# Allegro board S071AA-0413-20260427.brd (continued)
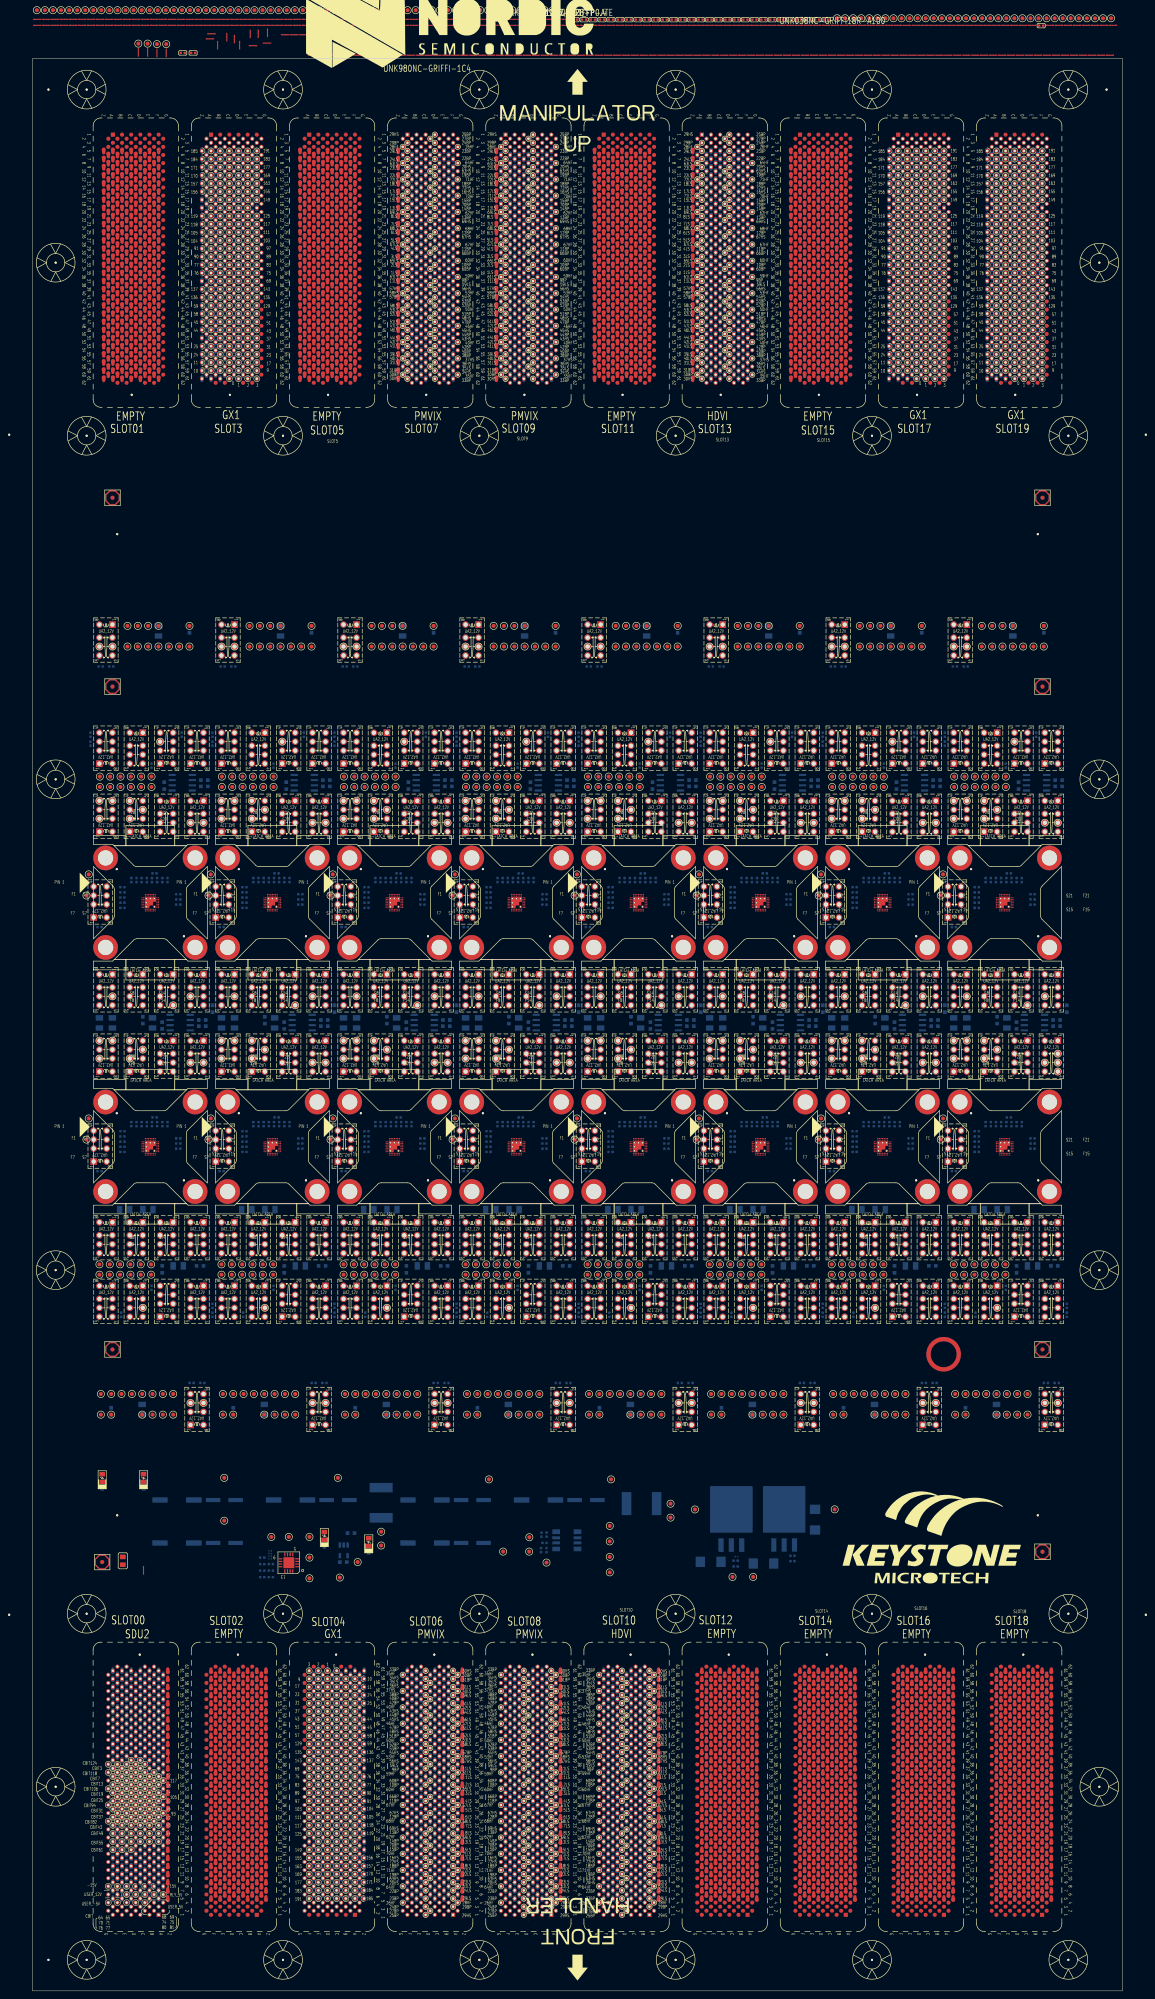
[diagram p0: board, top side]
## Nets (continued)
S16_VBAT_F: SITE16.F1(VBAT_F) UNK16CS1.1 UNK16K10.3 UNK16K11.3 UNK16K12.3 UNK16TP_VBAT_F.1
S16_VBAT_K11C: UNK16C6.1 UNK16K11.4
S16_VBAT_K12: UNK16C9.1 UNK16K12.4 UNK16TP_REF_5V.1 UNK16U1.6
S16_VBAT_S: SITE16.S1(VBAT_S) UNK16K10.6 UNK16K12.6 UNK16TP_VBAT_S.1
S16_VBUS_CK: UNK16C2.2 UNK16K1.3
S16_VSET: SITE16.F8(VSET_F) SITE16.S8(VSET_S) UNK16K3.3 UNK16TP_VEST.1
S16_VSET_K3R: UNK16K3.2 UNK16R1.2
SCOPE_TP0: SLOT0.B16
SCOPE_TP1: SLOT0.A16
SDUABUS1: SLOT0.F41
SDUABUS2: SLOT0.E41
SDUABUS3: SLOT0.F39
SDUABUS4: SLOT0.E39
SDUCAL1_HF: SLOT0.A41
SDUCAL1_HG: SLOT0.A40 SLOT0.B40 SLOT0.C41
SDUCAL1_HS: SLOT0.B41
SDUCAL1_LF: SLOT0.A39
SDUCAL1_LS: SLOT0.B39
SDUCBIT1: SLOT0.D39 UNK1K7.8 UNK2K7.8
SDUCBIT2: SLOT0.C39 UNK1K6.8 UNK2K6.8
SDUCBIT3: SLOT0.F37 UNK1K4.8 UNK2K4.8
SDUCBIT4: SLOT0.E37 UNK1K5.8 UNK2K5.8
SDUCBIT5: SLOT0.D37 UNK1K3.8 UNK2K3.8
SDUCBIT6: SLOT0.C37 UNK1K10.8 UNK2K10.8
SDUCBIT7: SLOT0.F35 UNK1K12.8 UNK2K12.8
SDUCBIT8: SLOT0.E35 UNK1K11.8 UNK2K11.8
SDUCBIT9: SLOT0.D35 UNK1K13.8 UNK2K13.8
SDUCBIT10: SLOT0.C35 UNK1K8.8 UNK2K8.8
SDUCBIT11: SLOT0.B35 UNK1K1.8 UNK2K1.8
SDUCBIT12: SLOT0.A35 UNK1K14.8 UNK2K14.8
SDUCBIT13: SLOT0.F33 UNK1K9.8 UNK2K9.8
SDUCBIT14: SLOT0.E33 UNK1K2.8 UNK2K2.8
SDUCBIT15: SLOT0.D33
SDUCBIT16: SLOT0.C33
SDUCBIT17: SLOT0.B33 UNK3K7.8 UNK4K7.8
SDUCBIT18: SLOT0.A33 UNK3K6.8 UNK4K6.8
SDUCBIT19: SLOT0.F31 UNK3K4.8 UNK4K4.8
SDUCBIT20: SLOT0.E31 UNK3K5.8 UNK4K5.8
SDUCBIT21: SLOT0.D31 UNK3K3.8 UNK4K3.8
SDUCBIT22: SLOT0.C31 UNK3K10.8 UNK4K10.8
SDUCBIT23: SLOT0.B31 UNK3K12.8 UNK4K12.8
SDUCBIT24: SLOT0.A31 UNK3K11.8 UNK4K11.8
SDUCBIT25: SLOT0.F29 UNK3K13.8 UNK4K13.8
SDUCBIT26: SLOT0.E29 UNK3K8.8 UNK4K8.8
SDUCBIT27: SLOT0.D29 UNK3K1.8 UNK4K1.8
SDUCBIT28: SLOT0.C29 UNK3K14.8 UNK4K14.8
SDUCBIT29: SLOT0.B29 UNK3K9.8 UNK4K9.8
SDUCBIT30: SLOT0.A29 UNK3K2.8 UNK4K2.8
SDUCBIT31: SLOT0.F27
SDUCBIT32: SLOT0.E27
SDUCBIT33: SLOT0.D27 UNK5K7.8 UNK6K7.8
SDUCBIT34: SLOT0.C27 UNK5K6.8 UNK6K6.8
SDUCBIT35: SLOT0.B27 UNK5K4.8 UNK6K4.8
SDUCBIT36: SLOT0.A27 UNK5K5.8 UNK6K5.8
SDUCBIT37: SLOT0.F25 UNK5K3.8 UNK6K3.8
SDUCBIT38: SLOT0.E25 UNK5K10.8 UNK6K10.8
SDUCBIT39: SLOT0.D25 UNK5K12.8 UNK6K12.8
SDUCBIT40: SLOT0.C25 UNK5K11.8 UNK6K11.8
SDUCBIT41: SLOT0.B25 UNK5K13.8 UNK6K13.8
SDUCBIT42: SLOT0.A25 UNK5K8.8 UNK6K8.8
SDUCBIT43: SLOT0.F23 UNK5K1.8 UNK6K1.8
SDUCBIT44: SLOT0.E23 UNK5K14.8 UNK6K14.8
SDUCBIT45: SLOT0.D23 UNK5K9.8 UNK6K9.8
SDUCBIT46: SLOT0.C23 UNK5K2.8 UNK6K2.8
SDUCBIT47: SLOT0.B23
SDUCBIT48: SLOT0.A23
SDUCBIT49: SLOT0.F21 UNK7K7.8 UNK8K7.8
SDUCBIT50: SLOT0.E21 UNK7K6.8 UNK8K6.8
SDUCBIT51: SLOT0.D21 UNK7K4.8 UNK8K4.8
SDUCBIT52: SLOT0.C21 UNK7K5.8 UNK8K5.8
SDUCBIT53: SLOT0.B21 UNK7K3.8 UNK8K3.8
SDUCBIT54: SLOT0.A21 UNK7K10.8 UNK8K10.8
SDUCBIT55: SLOT0.F19 UNK7K12.8 UNK8K12.8
SDUCBIT56: SLOT0.E19 UNK7K11.8 UNK8K11.8
SDUCBIT57: SLOT0.D19 UNK7K13.8 UNK8K13.8
SDUCBIT58: SLOT0.C19 UNK7K8.8 UNK8K8.8
SDUCBIT59: SLOT0.B19 UNK7K1.8 UNK8K1.8
SDUCBIT60: SLOT0.A19 UNK7K14.8 UNK8K14.8
SDUCBIT61: SLOT0.F17 UNK7K9.8 UNK8K9.8
SDUCBIT62: SLOT0.E17 UNK7K2.8 UNK8K2.8
SDUCBIT63: SLOT0.D17
SDUCBIT64: SLOT0.F7
SDUCBIT65: SLOT0.E7 UNK9K7.8 UNK10K7.8
SDUCBIT66: SLOT0.D7 UNK9K6.8 UNK10K6.8
SDUCBIT67: SLOT0.C7 UNK9K4.8 UNK10K4.8
SDUCBIT68: SLOT0.B7 UNK9K5.8 UNK10K5.8
SDUCBIT69: SLOT0.A7 UNK9K3.8 UNK10K3.8
SDUCBIT70: SLOT0.F5 UNK9K10.8 UNK10K10.8
SDUCBIT71: SLOT0.E5 UNK9K12.8 UNK10K12.8
SDUCBIT72: SLOT0.D5 UNK9K11.8 UNK10K11.8
SDUCBIT73: SLOT0.C5 UNK9K13.8 UNK10K13.8
SDUCBIT74: SLOT0.B5 UNK9K8.8 UNK10K8.8
SDUCBIT75: SLOT0.A5 UNK9K1.8 UNK10K1.8
SDUCBIT76: SLOT0.F3 UNK9K14.8 UNK10K14.8
SDUCBIT77: SLOT0.E3 UNK9K9.8 UNK10K9.8
SDUCBIT78: SLOT0.D3 UNK9K2.8 UNK10K2.8
SDUCBIT79: SLOT0.C3
SDUCBIT80: SLOT0.B3
SDUCBIT81: SLOT0.A3 UNK11K7.8 UNK12K7.8
SDUCBIT82: SLOT0.G24 UNK11K6.8 UNK12K6.8
SDUCBIT83: SLOT0.F24 UNK11K4.8 UNK12K4.8
SDUCBIT84: SLOT0.E24 UNK11K5.8 UNK12K5.8
SDUCBIT85: SLOT0.D24 UNK11K3.8 UNK12K3.8
SDUCBIT86: SLOT0.C24 UNK11K10.8 UNK12K10.8
SDUCBIT87: SLOT0.B24 UNK11K12.8 UNK12K12.8
SDUCBIT88: SLOT0.F26 UNK11K11.8 UNK12K11.8
SDUCBIT89: SLOT0.E26 UNK11K13.8 UNK12K13.8
SDUCBIT90: SLOT0.D26 UNK11K8.8 UNK12K8.8
SDUCBIT91: SLOT0.C26 UNK11K1.8 UNK12K1.8
SDUCBIT92: SLOT0.B26 UNK11K14.8 UNK12K14.8
SDUCBIT93: SLOT0.A26 UNK11K9.8 UNK12K9.8
SDUCBIT94: SLOT0.G28 UNK11K2.8 UNK12K2.8
SDUCBIT95: SLOT0.F28
SDUCBIT96: SLOT0.E28
SDUCBIT97: SLOT0.D28 UNK13K7.8 UNK14K7.8
SDUCBIT98: SLOT0.C28 UNK13K6.8 UNK14K6.8
SDUCBIT99: SLOT0.B28 UNK13K4.8 UNK14K4.8
SDUCBIT100: SLOT0.F30 UNK13K5.8 UNK14K5.8
SDUCBIT101: SLOT0.E30 UNK13K3.8 UNK14K3.8
SDUCBIT102: SLOT0.D30 UNK13K10.8 UNK14K10.8
SDUCBIT103: SLOT0.C30 UNK13K12.8 UNK14K12.8
SDUCBIT104: SLOT0.B30 UNK13K11.8 UNK14K11.8
SDUCBIT105: SLOT0.A30 UNK13K13.8 UNK14K13.8
SDUCBIT106: SLOT0.G32 UNK13K8.8 UNK14K8.8
SDUCBIT107: SLOT0.F32 UNK13K1.8 UNK14K1.8
SDUCBIT108: SLOT0.E32 UNK13K14.8 UNK14K14.8
SDUCBIT109: SLOT0.D32 UNK13K9.8 UNK14K9.8
SDUCBIT110: SLOT0.C32 UNK13K2.8 UNK14K2.8
SDUCBIT111: SLOT0.B32
SDUCBIT112: SLOT0.F34
SDUCBIT113: SLOT0.E34 UNK15K7.8 UNK16K7.8
SDUCBIT114: SLOT0.D34 UNK15K6.8 UNK16K6.8
SDUCBIT115: SLOT0.C34 UNK15K4.8 UNK16K4.8
SDUCBIT116: SLOT0.B34 UNK15K5.8 UNK16K5.8
SDUCBIT117: SLOT0.A34 UNK15K3.8 UNK16K3.8
SDUCBIT118: SLOT0.G36 UNK15K10.8 UNK16K10.8
SDUCBIT119: SLOT0.F36 UNK15K12.8 UNK16K12.8
SDUCBIT120: SLOT0.E36 UNK15K11.8 UNK16K11.8
SDUCBIT121: SLOT0.D36 UNK15K13.8 UNK16K13.8
SDUCBIT122: SLOT0.C36 UNK15K8.8 UNK16K8.8
SDUCBIT123: SLOT0.B36 UNK15K1.8 UNK16K1.8
SDUCBIT124: SLOT0.G38 UNK15K14.8 UNK16K14.8
SDUCBIT125: SLOT0.F38 UNK15K9.8 UNK16K9.8
SDUCBIT126: SLOT0.E38 UNK15K2.8 UNK16K2.8
SDUCBIT127: SLOT0.D38
SDUCBIT128: SLOT0.C38
SDUI2C1_SYS_P3V3: R22.2 SLOT0.G16
SDUI2C1_SYS_SCLK: R24.2 SLOT0.G14 TP_EPP_SCLK.1(TP)
SDUI2C1_SYS_SDA: R23.2 SLOT0.G18
SDUI2C1_USER_SCLK: R8.2 SLOT0.F14 TP_USER_SCLK1.1(TP) U4.1(SCL)
SDUI2C1_USER_SDA: R7.2 SLOT0.F16 TP_USER_SDA1.1(TP) U4.2(SDA)
SDUP5V1: BC1.1 BC2.1 FUSE2.1 SLOT0.A2 SLOT0.A4 SLOT0.B2 SLOT0.B4 SLOT0.C2 T_USER_5V.1(TP) USER_5V1.1(A)
SDUSPI1_CS_N: SLOT0.E16
SDUSPI1_MISO: SLOT0.F18
SDUSPI1_MOSI: SLOT0.E18
SDUSPI1_SCLK: SLOT0.E14
SDUSYNC1: SLOT0.C14
SDUSYNC2: SLOT0.B14
SPARE0: SLOT0.A8
SPARE1: SLOT0.G22
SPARE2: SLOT0.A20
SPARE3: SLOT0.G26
SPARE4: SLOT0.A24
SPARE5: SLOT0.G30
SPARE6: SLOT0.A28
SPARE7: SLOT0.G34
SPARE8: SLOT0.A32
SPARE9: SLOT0.G40
SPARE10: SLOT0.A36
SPARE11: SLOT0.F40
SPARE12: SLOT0.C40
SPARE13: SLOT0.E40
SPARE14: SLOT0.D40
TMU_INPUT_A: SLOT0.B12
TMU_INPUT_B: SLOT0.D12
TMU_REF_GND: SLOT0.A37 UNK0BS1.1
TMU_TRIGGER: SLOT0.F12
U4_CT: R9.2 U4.10(CT)
U4_INT: R10.2 U4.9(INT)
U6_SCL: R24.1 U6.6(SCL)
U6_SDA: R21.2 R23.1 TP_EPP_SDA.1(TP) U6.5(SDA)
U6_VCC: C14.2 R21.1 R22.1 TP_EPP_VCC.1(TP) U6.8(VCC)
U46_ADJ: R376.2 R381.1 U46.1(ADJ)
U46_R: R381.2 R382.1
U47_ADJ: R378.1 R383.2 U47.1(ADJ)
UGND: BC1.2 BC2.2 BC3.1 BC4.1 BC5.2 BC6.2 BC7.2 BC8.2 BC10.2 BC11.2 BC12.1 BC13.1 BD1.2 BD2.2 C102.2
USER_12V: BC7.1 BC8.1 SLOT0.F6 SLOT0.G6 T_USER_12V.1(TP) UNK1C7.1 UNK1C8.1 UNK1K1.1 UNK1K2.1 UNK1K3.1 UNK1K4.1 UNK1K5.1 UNK1K6.1 UNK1K7.1 UNK1K8.1 UNK1K9.1 UNK1K10.1 UNK1K11.1 UNK1K12.1 UNK1K13.1 UNK1K14.1 UNK1U1.2 UNK2C7.1 UNK2C8.1 UNK2K1.1 UNK2K2.1 UNK2K3.1 UNK2K4.1 UNK2K5.1 UNK2K6.1 UNK2K7.1 UNK2K8.1 UNK2K9.1 UNK2K10.1 UNK2K11.1 UNK2K12.1 UNK2K13.1 UNK2K14.1 UNK2U1.2 UNK3C7.1 UNK3C8.1 UNK3K1.1 UNK3K2.1 UNK3K3.1 UNK3K4.1 UNK3K5.1 UNK3K6.1 UNK3K7.1 UNK3K8.1 UNK3K9.1 UNK3K10.1 UNK3K11.1 UNK3K12.1 UNK3K13.1 UNK3K14.1 UNK3U1.2 UNK4C7.1 UNK4C8.1 UNK4K1.1 UNK4K2.1 UNK4K3.1 UNK4K4.1 UNK4K5.1 UNK4K6.1 UNK4K7.1 UNK4K8.1 UNK4K9.1 UNK4K10.1 UNK4K11.1 UNK4K12.1 UNK4K13.1 UNK4K14.1 UNK4U1.2 UNK5C7.1 UNK5C8.1 UNK5K1.1 UNK5K2.1 UNK5K3.1 UNK5K4.1 UNK5K5.1 UNK5K6.1 UNK5K7.1 UNK5K8.1 UNK5K9.1 UNK5K10.1 UNK5K11.1 UNK5K12.1 UNK5K13.1 UNK5K14.1 UNK5U1.2 UNK6C7.1 UNK6C8.1 UNK6K1.1 UNK6K2.1 UNK6K3.1 UNK6K4.1 UNK6K5.1 UNK6K6.1 UNK6K7.1 UNK6K8.1 UNK6K9.1 UNK6K10.1 UNK6K11.1 UNK6K12.1 UNK6K13.1 UNK6K14.1 UNK6U1.2 UNK7C7.1 UNK7C8.1 UNK7K1.1 UNK7K2.1 UNK7K3.1 UNK7K4.1 UNK7K5.1 UNK7K6.1 UNK7K7.1 UNK7K8.1 UNK7K9.1 UNK7K10.1 UNK7K11.1 UNK7K12.1 UNK7K13.1 UNK7K14.1 UNK7U1.2 UNK8C7.1 UNK8C8.1 UNK8K1.1 UNK8K2.1 UNK8K3.1 UNK8K4.1 UNK8K5.1 UNK8K6.1 UNK8K7.1 UNK8K8.1 UNK8K9.1 UNK8K10.1 UNK8K11.1 UNK8K12.1 UNK8K13.1 UNK8K14.1 UNK8U1.2 UNK9C7.1 UNK9C8.1 UNK9K1.1 UNK9K2.1 UNK9K3.1 UNK9K4.1 UNK9K5.1 UNK9K6.1 UNK9K7.1 UNK9K8.1 UNK9K9.1 UNK9K10.1 UNK9K11.1 UNK9K12.1 UNK9K13.1 UNK9K14.1 UNK9U1.2 UNK10C7.1 UNK10C8.1 UNK10K1.1 UNK10K2.1 UNK10K3.1 UNK10K4.1 UNK10K5.1 UNK10K6.1 UNK10K7.1 UNK10K8.1 UNK10K9.1 UNK10K10.1 UNK10K11.1 UNK10K12.1 UNK10K13.1 UNK10K14.1 UNK10U1.2 UNK11C7.1 UNK11C8.1 UNK11K1.1 UNK11K2.1 UNK11K3.1 UNK11K4.1 UNK11K5.1 UNK11K6.1 UNK11K7.1 UNK11K8.1 UNK11K9.1 UNK11K10.1 UNK11K11.1 UNK11K12.1 UNK11K13.1 UNK11K14.1 UNK11U1.2 UNK12C7.1 UNK12C8.1 UNK12K1.1 UNK12K2.1 UNK12K3.1 UNK12K4.1 UNK12K5.1 UNK12K6.1 UNK12K7.1 UNK12K8.1 UNK12K9.1 UNK12K10.1 UNK12K11.1 UNK12K12.1 UNK12K13.1 UNK12K14.1 UNK12U1.2 UNK13C7.1 UNK13C8.1 UNK13K1.1 UNK13K2.1 UNK13K3.1 UNK13K4.1 UNK13K5.1 UNK13K6.1 UNK13K7.1 UNK13K8.1 UNK13K9.1 UNK13K10.1 UNK13K11.1 UNK13K12.1 UNK13K13.1 UNK13K14.1 UNK13U1.2 UNK14C7.1 UNK14C8.1 UNK14K1.1 UNK14K2.1 UNK14K3.1 UNK14K4.1 UNK14K5.1 UNK14K6.1 UNK14K7.1 UNK14K8.1 UNK14K9.1 UNK14K10.1 UNK14K11.1 UNK14K12.1 UNK14K13.1 UNK14K14.1 UNK14U1.2 UNK15C7.1 UNK15C8.1 UNK15K1.1 UNK15K2.1 UNK15K3.1 UNK15K4.1 UNK15K5.1 UNK15K6.1 UNK15K7.1 UNK15K8.1 UNK15K9.1 UNK15K10.1 UNK15K11.1 UNK15K12.1 UNK15K13.1 UNK15K14.1 UNK15U1.2 UNK16C7.1 UNK16C8.1 UNK16K1.1 UNK16K2.1 UNK16K3.1 UNK16K4.1 UNK16K5.1 UNK16K6.1 UNK16K7.1 UNK16K8.1 UNK16K9.1 UNK16K10.1 UNK16K11.1 UNK16K12.1 UNK16K13.1 UNK16K14.1 UNK16U1.2 USER_12V1.1(A)
USER_-5V: BC3.2 BC4.2 BR2.2 SLOT0.C4 SLOT0.D4 SLOT0.E4 SLOT0.F4 SLOT0.G4 T_USER_-5V.1(TP)
VI_433_6-CH1BP: SLOT6.B35
VI_433_6-CH1F: SLOT6.F35
VI_433_6-CH1GS: SLOT6.A35
VI_433_6-CH1S: SLOT6.C35
VI_434_6-CH2BP: SLOT6.B33
VI_434_6-CH2F: SLOT6.F33
VI_434_6-CH2GS: SLOT6.A33
VI_434_6-CH2S: SLOT6.C33
VI_435_6-CH3BP: SLOT6.B31
VI_435_6-CH3F: SLOT6.F31
VI_435_6-CH3GS: SLOT6.A31
VI_435_6-CH3S: SLOT6.C31
VI_436_6-CH4BP: SLOT6.B29
VI_436_6-CH4F: SLOT6.F29
VI_436_6-CH4GS: SLOT6.A29
VI_436_6-CH4S: SLOT6.C29
VI_437_6-CH5BP: SLOT6.B27
VI_437_6-CH5F: SLOT6.F27
VI_437_6-CH5GS: SLOT6.A27
VI_437_6-CH5S: SLOT6.C27
VI_438_6-CH6BP: SLOT6.B25
VI_438_6-CH6F: SLOT6.F25
VI_438_6-CH6GS: SLOT6.A25
VI_438_6-CH6S: SLOT6.C25
VI_439_6-CH7BP: SLOT6.B23
VI_439_6-CH7F: SLOT6.F23
VI_439_6-CH7GS: SLOT6.A23
VI_439_6-CH7S: SLOT6.C23
VI_440_6-CH8BP: SLOT6.B21
VI_440_6-CH8F: SLOT6.F21
VI_440_6-CH8GS: SLOT6.A21
VI_440_6-CH8S: SLOT6.C21
VI_441_6-CH9BP: SLOT6.D37
VI_441_6-CH9F: SLOT6.F37
VI_441_6-CH9GS: SLOT6.C37
VI_441_6-CH9S: SLOT6.E37
VI_442_6-CH10BP: SLOT6.D33
VI_442_6-CH10F: SLOT6.E35
VI_442_6-CH10GS: SLOT6.B37
VI_442_6-CH10S: SLOT6.E33
VI_443_6-CH11BP: SLOT6.D29
VI_443_6-CH11F: SLOT6.E31
VI_443_6-CH11GS: SLOT6.A37
VI_443_6-CH11S: SLOT6.E29
VI_444_6-CH12BP: SLOT6.D25
VI_444_6-CH12F: SLOT6.E27
VI_444_6-CH12GS: SLOT6.B19
VI_444_6-CH12S: SLOT6.E25
VI_445_6-CH13BP: SLOT6.D21
VI_445_6-CH13F: SLOT6.E23
VI_445_6-CH13GS: SLOT6.A19
VI_445_6-CH13S: SLOT6.E21
VI_446_6-CH14BP: SLOT6.D19
VI_446_6-CH14F: SLOT6.F19
VI_446_6-CH14GS: SLOT6.C19
VI_446_6-CH14S: SLOT6.E19
VI_447_6-CH15BP: SLOT6.D17
VI_447_6-CH15F: SLOT6.F17
VI_447_6-CH15GS: SLOT6.A17
VI_447_6-CH15S: SLOT6.E17
VI_448_6-CH16BP: SLOT6.C17
VI_448_6-CH16F: SLOT6.E15
VI_448_6-CH16GS: SLOT6.B17
VI_448_6-CH16S: SLOT6.D15
VI_449_6-CH17BP: SLOT6.B15
VI_449_6-CH17F: SLOT6.F15
VI_449_6-CH17GS: SLOT6.A15
VI_449_6-CH17S: SLOT6.C15
VI_450_6-CH18BP: SLOT6.D13
VI_450_6-CH18F: SLOT6.F13
VI_450_6-CH18GS: SLOT6.A13
VI_450_6-CH18S: SLOT6.E13
VI_451_6-CH19BP: SLOT6.D11
VI_451_6-CH19F: SLOT6.F11
VI_451_6-CH19GS: SLOT6.B13
VI_451_6-CH19S: SLOT6.E11
VI_452_6-CH20BP: SLOT6.C11
VI_452_6-CH20F: SLOT6.E9
VI_452_6-CH20GS: SLOT6.C13
VI_452_6-CH20S: SLOT6.D9
VI_453_6-CH21BP: SLOT6.B9
VI_453_6-CH21F: SLOT6.F9
VI_453_6-CH21GS: SLOT6.B11
VI_453_6-CH21S: SLOT6.C9
VI_454_6-CH22BP: SLOT6.D7
VI_454_6-CH22F: SLOT6.F7
VI_454_6-CH22GS: SLOT6.A11
VI_454_6-CH22S: SLOT6.E7
VI_455_6-CH23BP: SLOT6.D5
VI_455_6-CH23F: SLOT6.F5
VI_455_6-CH23GS: SLOT6.A9
VI_455_6-CH23S: SLOT6.E5
VI_456_6-CH24BP: SLOT6.D3
VI_456_6-CH24F: SLOT6.F3
VI_456_6-CH24GS: SLOT6.A7
VI_456_6-CH24S: SLOT6.E3
VI_457_6-CH25BP: SLOT6.D1
VI_457_6-CH25F: SLOT6.F1
VI_457_6-CH25GS: SLOT6.B7
VI_457_6-CH25S: SLOT6.E1
VI_458_6-CH26BP: SLOT6.C3
VI_458_6-CH26F: SLOT6.G4
VI_458_6-CH26GS: SLOT6.C7
VI_458_6-CH26S: SLOT6.C1
VI_459_6-CH27BP: SLOT6.D2
VI_459_6-CH27F: SLOT6.F2
VI_459_6-CH27GS: SLOT6.C5
VI_459_6-CH27S: SLOT6.C4
VI_460_6-CH28BP: SLOT6.B3
VI_460_6-CH28F: SLOT6.A4
VI_460_6-CH28GS: SLOT6.B5
VI_460_6-CH28S: SLOT6.B1
VI_461_6-CH29BP: SLOT6.A3
VI_461_6-CH29F: SLOT6.B2
VI_461_6-CH29GS: SLOT6.A5
VI_461_6-CH29S: SLOT6.A1
VI_462_6-CH30BP: SLOT6.A60
VI_462_6-CH30F: SLOT6.B62
VI_462_6-CH30GS: SLOT6.B58
VI_462_6-CH30S: SLOT6.A61
VI_463_6-CH31BP: SLOT6.A59
VI_463_6-CH31F: SLOT6.C62
VI_463_6-CH31GS: SLOT6.A57
VI_463_6-CH31S: SLOT6.B61
VI_464_6-CH32BP: SLOT6.E60
VI_464_6-CH32F: SLOT6.F62
VI_464_6-CH32GS: SLOT6.C60
VI_464_6-CH32S: SLOT6.F61
VI_465_6-CH33BP: SLOT6.D61
VI_465_6-CH33F: SLOT6.E62
VI_465_6-CH33GS: SLOT6.C61
VI_465_6-CH33S: SLOT6.E61
VI_466_6-CH34BP: SLOT6.C59
VI_466_6-CH34F: SLOT6.F59
VI_466_6-CH34GS: SLOT6.B59
VI_466_6-CH34S: SLOT6.D59
VI_467_6-CH35BP: SLOT6.F58
VI_467_6-CH35F: SLOT6.G60
VI_467_6-CH35GS: SLOT6.D58
VI_467_6-CH35S: SLOT6.E59
VI_468_6-CH36BP: SLOT6.C57
VI_468_6-CH36F: SLOT6.E57
VI_468_6-CH36GS: SLOT6.B57
VI_468_6-CH36S: SLOT6.D57
VI_469_6-CH37BP: SLOT6.E56
VI_469_6-CH37F: SLOT6.F57
VI_469_6-CH37GS: SLOT6.C56
VI_469_6-CH37S: SLOT6.G56
VI_470_6-CH38BP: SLOT6.D55
VI_470_6-CH38F: SLOT6.F55
VI_470_6-CH38GS: SLOT6.B55
VI_470_6-CH38S: SLOT6.E55
VI_471_6-CH39BP: SLOT6.B54
VI_471_6-CH39F: SLOT6.E52
VI_471_6-CH39GS: SLOT6.A55
VI_471_6-CH39S: SLOT6.C55
VI_472_6-CH40BP: SLOT6.D54
VI_472_6-CH40F: SLOT6.G52
VI_472_6-CH40GS: SLOT6.A56
VI_472_6-CH40S: SLOT6.F54
VI_473_6-CH41BP: SLOT6.B53
VI_473_6-CH41F: SLOT6.F53
VI_473_6-CH41GS: SLOT6.A53
VI_473_6-CH41S: SLOT6.C53
VI_474_6-CH42BP: SLOT6.D53
VI_474_6-CH42F: SLOT6.F51
VI_474_6-CH42GS: SLOT6.A52
VI_474_6-CH42S: SLOT6.E53
VI_475_6-CH43BP: SLOT6.C51
VI_475_6-CH43F: SLOT6.E51
VI_475_6-CH43GS: SLOT6.C52
VI_475_6-CH43S: SLOT6.D51
VI_476_6-CH44BP: SLOT6.D50
VI_476_6-CH44F: SLOT6.F49
VI_476_6-CH44GS: SLOT6.A51
VI_476_6-CH44S: SLOT6.F50
VI_477_6-CH45BP: SLOT6.B50
VI_477_6-CH45F: SLOT6.E49
VI_477_6-CH45GS: SLOT6.B51
VI_477_6-CH45S: SLOT6.D49
VI_478_6-CH46BP: SLOT6.B49
VI_478_6-CH46F: SLOT6.G48
VI_478_6-CH46GS: SLOT6.A49
VI_478_6-CH46S: SLOT6.C49
VI_479_6-CH47BP: SLOT6.D47
VI_479_6-CH47F: SLOT6.F47
VI_479_6-CH47GS: SLOT6.A48
VI_479_6-CH47S: SLOT6.E47
VI_480_6-CH48BP: SLOT6.C45
VI_480_6-CH48F: SLOT6.F45
VI_480_6-CH48GS: SLOT6.C48
VI_480_6-CH48S: SLOT6.D46
VI_481_6-CH49BP: SLOT6.C47
VI_481_6-CH49F: SLOT6.F46
VI_481_6-CH49GS: SLOT6.E48
VI_481_6-CH49S: SLOT6.E45
VI_482_6-CH50BP: SLOT6.B46
VI_482_6-CH50F: SLOT6.G44
VI_482_6-CH50GS: SLOT6.B47
VI_482_6-CH50S: SLOT6.B45
VI_483_6-CH51BP: SLOT6.D45
VI_483_6-CH51F: SLOT6.F41
VI_483_6-CH51GS: SLOT6.A47
VI_483_6-CH51S: SLOT6.E43
VI_484_6-CH52BP: SLOT6.D43
VI_484_6-CH52F: SLOT6.F43
VI_484_6-CH52GS: SLOT6.A45
VI_484_6-CH52S: SLOT6.F42
VI_485_6-CH53BP: SLOT6.D42
VI_485_6-CH53F: SLOT6.G40
VI_485_6-CH53GS: SLOT6.A44
VI_485_6-CH53S: SLOT6.E41
VI_486_6-CH54BP: SLOT6.C41
VI_486_6-CH54F: SLOT6.F39
VI_486_6-CH54GS: SLOT6.C44
VI_486_6-CH54S: SLOT6.D41
VI_487_6-CH55BP: SLOT6.B41
VI_487_6-CH55F: SLOT6.F38
VI_487_6-CH55GS: SLOT6.E44
VI_487_6-CH55S: SLOT6.B39
VI_488_6-CH56BP: SLOT6.C39
VI_488_6-CH56F: SLOT6.E39
VI_488_6-CH56GS: SLOT6.C43
VI_488_6-CH56S: SLOT6.D39
VI_489_6-CH57BP: SLOT6.A41
VI_489_6-CH57F: SLOT6.E40
VI_489_6-CH57GS: SLOT6.B43
VI_489_6-CH57S: SLOT6.A39
VI_490_6-CH58BP: SLOT6.B42
VI_490_6-CH58F: SLOT6.C40
VI_490_6-CH58GS: SLOT6.A43
VI_490_6-CH58S: SLOT6.A40
VI_491_6-CH59BP: SLOT6.C36
VI_491_6-CH59F: SLOT6.G36
VI_491_6-CH59GS: SLOT6.D38
VI_491_6-CH59S: SLOT6.E36
VI_492_6-CH60BP: SLOT6.D34
VI_492_6-CH60F: SLOT6.G32
VI_492_6-CH60GS: SLOT6.B38
VI_492_6-CH60S: SLOT6.E32
VI_493_6-CH61BP: SLOT6.E24
VI_493_6-CH61F: SLOT6.E28
VI_493_6-CH61GS: SLOT6.A36
VI_493_6-CH61S: SLOT6.F26
VI_494_6-CH62BP: SLOT6.F18
VI_494_6-CH62F: SLOT6.G20
VI_494_6-CH62GS: SLOT6.B10
VI_494_6-CH62S: SLOT6.E16
VI_495_6-CH63BP: SLOT6.E12
VI_495_6-CH63F: SLOT6.F14
VI_495_6-CH63GS: SLOT6.A8
VI_495_6-CH63S: SLOT6.D10
VI_496_6-CH64BP: SLOT6.E8
VI_496_6-CH64F: SLOT6.G8
VI_496_6-CH64GS: SLOT6.C8
VI_496_6-CH64S: SLOT6.F6
VI_497_6-CH65BP: SLOT6.B34
VI_497_6-CH65F: SLOT6.F34
VI_497_6-CH65GS: SLOT6.A32
VI_497_6-CH65S: SLOT6.C32
VI_498_6-CH66BP: SLOT6.D30
VI_498_6-CH66F: SLOT6.F30
VI_498_6-CH66GS: SLOT6.B30
VI_498_6-CH66S: SLOT6.C28
VI_499_6-CH67BP: SLOT6.B26
VI_499_6-CH67F: SLOT6.G28
VI_499_6-CH67GS: SLOT6.A28
VI_499_6-CH67S: SLOT6.D26
VI_500_6-CH68BP: SLOT6.C24
VI_500_6-CH68F: SLOT6.G24
VI_500_6-CH68GS: SLOT6.A24
VI_500_6-CH68S: SLOT6.B22
VI_501_6-CH69BP: SLOT6.C20
VI_501_6-CH69F: SLOT6.F22
VI_501_6-CH69GS: SLOT6.A20
VI_501_6-CH69S: SLOT6.D22
VI_502_6-CH70BP: SLOT6.D18
VI_502_6-CH70F: SLOT6.G16
VI_502_6-CH70GS: SLOT6.B18
VI_502_6-CH70S: SLOT6.E20
VI_503_6-CH71BP: SLOT6.C16
VI_503_6-CH71F: SLOT6.G12
VI_503_6-CH71GS: SLOT6.A16
VI_503_6-CH71S: SLOT6.B14
VI_504_6-CH72BP: SLOT6.C12
VI_504_6-CH72F: SLOT6.F10
VI_504_6-CH72GS: SLOT6.A12
VI_504_6-CH72S: SLOT6.D14
VI_505_7-CH1BP: SLOT7.B35
VI_505_7-CH1F: SLOT7.F35
VI_505_7-CH1GS: SLOT7.A35
VI_505_7-CH1S: SLOT7.C35
VI_506_7-CH2BP: SLOT7.B33
VI_506_7-CH2F: SLOT7.F33
VI_506_7-CH2GS: SLOT7.A33
VI_506_7-CH2S: SLOT7.C33
VI_507_7-CH3BP: SLOT7.B31
VI_507_7-CH3F: SLOT7.F31
VI_507_7-CH3GS: SLOT7.A31
VI_507_7-CH3S: SLOT7.C31
VI_508_7-CH4BP: SLOT7.B29
VI_508_7-CH4F: SLOT7.F29
VI_508_7-CH4GS: SLOT7.A29
VI_508_7-CH4S: SLOT7.C29
VI_509_7-CH5BP: SLOT7.B27
VI_509_7-CH5F: SLOT7.F27
VI_509_7-CH5GS: SLOT7.A27
VI_509_7-CH5S: SLOT7.C27
VI_510_7-CH6BP: SLOT7.B25
VI_510_7-CH6F: SLOT7.F25
VI_510_7-CH6GS: SLOT7.A25
VI_510_7-CH6S: SLOT7.C25
VI_511_7-CH7BP: SLOT7.B23
VI_511_7-CH7F: SLOT7.F23
VI_511_7-CH7GS: SLOT7.A23
VI_511_7-CH7S: SLOT7.C23
VI_512_7-CH8BP: SLOT7.B21
VI_512_7-CH8F: SLOT7.F21
VI_512_7-CH8GS: SLOT7.A21
VI_512_7-CH8S: SLOT7.C21
VI_513_7-CH9BP: SLOT7.D37
VI_513_7-CH9F: SLOT7.F37
VI_513_7-CH9GS: SLOT7.C37
VI_513_7-CH9S: SLOT7.E37
VI_514_7-CH10BP: SLOT7.D33
VI_514_7-CH10F: SLOT7.E35
VI_514_7-CH10GS: SLOT7.B37
VI_514_7-CH10S: SLOT7.E33
VI_515_7-CH11BP: SLOT7.D29
VI_515_7-CH11F: SLOT7.E31
VI_515_7-CH11GS: SLOT7.A37
VI_515_7-CH11S: SLOT7.E29
VI_516_7-CH12BP: SLOT7.D25
VI_516_7-CH12F: SLOT7.E27
VI_516_7-CH12GS: SLOT7.B19
VI_516_7-CH12S: SLOT7.E25
VI_517_7-CH13BP: SLOT7.D21
VI_517_7-CH13F: SLOT7.E23
VI_517_7-CH13GS: SLOT7.A19
VI_517_7-CH13S: SLOT7.E21
VI_518_7-CH14BP: SLOT7.D19
VI_518_7-CH14F: SLOT7.F19
VI_518_7-CH14GS: SLOT7.C19
VI_518_7-CH14S: SLOT7.E19
VI_519_7-CH15BP: SLOT7.D17
VI_519_7-CH15F: SLOT7.F17
VI_519_7-CH15GS: SLOT7.A17
VI_519_7-CH15S: SLOT7.E17
VI_520_7-CH16BP: SLOT7.C17
VI_520_7-CH16F: SLOT7.E15
VI_520_7-CH16GS: SLOT7.B17
VI_520_7-CH16S: SLOT7.D15
VI_521_7-CH17BP: SLOT7.B15
VI_521_7-CH17F: SLOT7.F15
VI_521_7-CH17GS: SLOT7.A15
VI_521_7-CH17S: SLOT7.C15
VI_522_7-CH18BP: SLOT7.D13
VI_522_7-CH18F: SLOT7.F13
VI_522_7-CH18GS: SLOT7.A13
VI_522_7-CH18S: SLOT7.E13
VI_523_7-CH19BP: SLOT7.D11
VI_523_7-CH19F: SLOT7.F11
VI_523_7-CH19GS: SLOT7.B13
VI_523_7-CH19S: SLOT7.E11
VI_524_7-CH20BP: SLOT7.C11
VI_524_7-CH20F: SLOT7.E9
VI_524_7-CH20GS: SLOT7.C13
VI_524_7-CH20S: SLOT7.D9
VI_525_7-CH21BP: SLOT7.B9
VI_525_7-CH21F: SLOT7.F9
VI_525_7-CH21GS: SLOT7.B11
VI_525_7-CH21S: SLOT7.C9
VI_526_7-CH22BP: SLOT7.D7
VI_526_7-CH22F: SLOT7.F7
VI_526_7-CH22GS: SLOT7.A11
VI_526_7-CH22S: SLOT7.E7
VI_527_7-CH23BP: SLOT7.D5
VI_527_7-CH23F: SLOT7.F5
VI_527_7-CH23GS: SLOT7.A9
VI_527_7-CH23S: SLOT7.E5
VI_528_7-CH24BP: SLOT7.D3
VI_528_7-CH24F: SLOT7.F3
VI_528_7-CH24GS: SLOT7.A7
VI_528_7-CH24S: SLOT7.E3
VI_529_7-CH25BP: SLOT7.D1
VI_529_7-CH25F: SLOT7.F1
VI_529_7-CH25GS: SLOT7.B7
VI_529_7-CH25S: SLOT7.E1
VI_530_7-CH26BP: SLOT7.C3
VI_530_7-CH26F: SLOT7.G4
VI_530_7-CH26GS: SLOT7.C7
VI_530_7-CH26S: SLOT7.C1
VI_531_7-CH27BP: SLOT7.D2
VI_531_7-CH27F: SLOT7.F2
VI_531_7-CH27GS: SLOT7.C5
VI_531_7-CH27S: SLOT7.C4
VI_532_7-CH28BP: SLOT7.B3
VI_532_7-CH28F: SLOT7.A4
VI_532_7-CH28GS: SLOT7.B5
VI_532_7-CH28S: SLOT7.B1
VI_533_7-CH29BP: SLOT7.A3
VI_533_7-CH29F: SLOT7.B2
VI_533_7-CH29GS: SLOT7.A5
VI_533_7-CH29S: SLOT7.A1
VI_534_7-CH30BP: SLOT7.A60
VI_534_7-CH30F: SLOT7.B62
VI_534_7-CH30GS: SLOT7.B58
VI_534_7-CH30S: SLOT7.A61
VI_535_7-CH31BP: SLOT7.A59
VI_535_7-CH31F: SLOT7.C62
VI_535_7-CH31GS: SLOT7.A57
VI_535_7-CH31S: SLOT7.B61
VI_536_7-CH32BP: SLOT7.E60
VI_536_7-CH32F: SLOT7.F62
VI_536_7-CH32GS: SLOT7.C60
VI_536_7-CH32S: SLOT7.F61
VI_537_7-CH33BP: SLOT7.D61
VI_537_7-CH33F: SLOT7.E62
VI_537_7-CH33GS: SLOT7.C61
VI_537_7-CH33S: SLOT7.E61
VI_538_7-CH34BP: SLOT7.C59
VI_538_7-CH34F: SLOT7.F59
VI_538_7-CH34GS: SLOT7.B59
VI_538_7-CH34S: SLOT7.D59
VI_539_7-CH35BP: SLOT7.F58
VI_539_7-CH35F: SLOT7.G60
VI_539_7-CH35GS: SLOT7.D58
VI_539_7-CH35S: SLOT7.E59
VI_540_7-CH36BP: SLOT7.C57
VI_540_7-CH36F: SLOT7.E57
VI_540_7-CH36GS: SLOT7.B57
VI_540_7-CH36S: SLOT7.D57
VI_541_7-CH37BP: SLOT7.E56
VI_541_7-CH37F: SLOT7.F57
VI_541_7-CH37GS: SLOT7.C56
VI_541_7-CH37S: SLOT7.G56
VI_542_7-CH38BP: SLOT7.D55
VI_542_7-CH38F: SLOT7.F55
VI_542_7-CH38GS: SLOT7.B55
VI_542_7-CH38S: SLOT7.E55
VI_543_7-CH39BP: SLOT7.B54
VI_543_7-CH39F: SLOT7.E52
VI_543_7-CH39GS: SLOT7.A55
VI_543_7-CH39S: SLOT7.C55
VI_544_7-CH40BP: SLOT7.D54
VI_544_7-CH40F: SLOT7.G52
VI_544_7-CH40GS: SLOT7.A56
VI_544_7-CH40S: SLOT7.F54
VI_545_7-CH41BP: SLOT7.B53
VI_545_7-CH41F: SLOT7.F53
VI_545_7-CH41GS: SLOT7.A53
VI_545_7-CH41S: SLOT7.C53
VI_546_7-CH42BP: SLOT7.D53
VI_546_7-CH42F: SLOT7.F51
VI_546_7-CH42GS: SLOT7.A52
VI_546_7-CH42S: SLOT7.E53
VI_547_7-CH43BP: SLOT7.C51
VI_547_7-CH43F: SLOT7.E51
VI_547_7-CH43GS: SLOT7.C52
VI_547_7-CH43S: SLOT7.D51
VI_548_7-CH44BP: SLOT7.D50
VI_548_7-CH44F: SLOT7.F49
VI_548_7-CH44GS: SLOT7.A51
VI_548_7-CH44S: SLOT7.F50
VI_549_7-CH45BP: SLOT7.B50
VI_549_7-CH45F: SLOT7.E49
VI_549_7-CH45GS: SLOT7.B51
VI_549_7-CH45S: SLOT7.D49
VI_550_7-CH46BP: SLOT7.B49
VI_550_7-CH46F: SLOT7.G48
VI_550_7-CH46GS: SLOT7.A49
VI_550_7-CH46S: SLOT7.C49
VI_551_7-CH47BP: SLOT7.D47
VI_551_7-CH47F: SLOT7.F47
VI_551_7-CH47GS: SLOT7.A48
VI_551_7-CH47S: SLOT7.E47
VI_552_7-CH48BP: SLOT7.C45
VI_552_7-CH48F: SLOT7.F45
VI_552_7-CH48GS: SLOT7.C48
VI_552_7-CH48S: SLOT7.D46
VI_553_7-CH49BP: SLOT7.C47
VI_553_7-CH49F: SLOT7.F46
VI_553_7-CH49GS: SLOT7.E48
VI_553_7-CH49S: SLOT7.E45
VI_554_7-CH50BP: SLOT7.B46
VI_554_7-CH50F: SLOT7.G44
VI_554_7-CH50GS: SLOT7.B47
VI_554_7-CH50S: SLOT7.B45
VI_555_7-CH51BP: SLOT7.D45
VI_555_7-CH51F: SLOT7.F41
VI_555_7-CH51GS: SLOT7.A47
VI_555_7-CH51S: SLOT7.E43
VI_556_7-CH52BP: SLOT7.D43
VI_556_7-CH52F: SLOT7.F43
VI_556_7-CH52GS: SLOT7.A45
VI_556_7-CH52S: SLOT7.F42
VI_557_7-CH53BP: SLOT7.D42
VI_557_7-CH53F: SLOT7.G40
VI_557_7-CH53GS: SLOT7.A44
VI_557_7-CH53S: SLOT7.E41
VI_558_7-CH54BP: SLOT7.C41
VI_558_7-CH54F: SLOT7.F39
VI_558_7-CH54GS: SLOT7.C44
VI_558_7-CH54S: SLOT7.D41
VI_559_7-CH55BP: SLOT7.B41
VI_559_7-CH55F: SLOT7.F38
VI_559_7-CH55GS: SLOT7.E44
VI_559_7-CH55S: SLOT7.B39
VI_560_7-CH56BP: SLOT7.C39
VI_560_7-CH56F: SLOT7.E39
VI_560_7-CH56GS: SLOT7.C43
VI_560_7-CH56S: SLOT7.D39
VI_561_7-CH57BP: SLOT7.A41
VI_561_7-CH57F: SLOT7.E40
VI_561_7-CH57GS: SLOT7.B43
VI_561_7-CH57S: SLOT7.A39
VI_562_7-CH58BP: SLOT7.B42
VI_562_7-CH58F: SLOT7.C40
VI_562_7-CH58GS: SLOT7.A43
VI_562_7-CH58S: SLOT7.A40
VI_563_7-CH59BP: SLOT7.C36
VI_563_7-CH59F: SLOT7.G36
VI_563_7-CH59GS: SLOT7.D38
VI_563_7-CH59S: SLOT7.E36
VI_564_7-CH60BP: SLOT7.D34
VI_564_7-CH60F: SLOT7.G32
VI_564_7-CH60GS: SLOT7.B38
VI_564_7-CH60S: SLOT7.E32
VI_565_7-CH61BP: SLOT7.E24
VI_565_7-CH61F: SLOT7.E28
VI_565_7-CH61GS: SLOT7.A36
VI_565_7-CH61S: SLOT7.F26
VI_566_7-CH62BP: SLOT7.F18
VI_566_7-CH62F: SLOT7.G20
VI_566_7-CH62GS: SLOT7.B10
VI_566_7-CH62S: SLOT7.E16
VI_567_7-CH63BP: SLOT7.E12
VI_567_7-CH63F: SLOT7.F14
VI_567_7-CH63GS: SLOT7.A8
VI_567_7-CH63S: SLOT7.D10
VI_568_7-CH64BP: SLOT7.E8
VI_568_7-CH64F: SLOT7.G8
VI_568_7-CH64GS: SLOT7.C8
VI_568_7-CH64S: SLOT7.F6
VI_569_7-CH65BP: SLOT7.B34
VI_569_7-CH65F: SLOT7.F34
VI_569_7-CH65GS: SLOT7.A32
VI_569_7-CH65S: SLOT7.C32
VI_570_7-CH66BP: SLOT7.D30
VI_570_7-CH66F: SLOT7.F30
VI_570_7-CH66GS: SLOT7.B30
VI_570_7-CH66S: SLOT7.C28
VI_571_7-CH67BP: SLOT7.B26
VI_571_7-CH67F: SLOT7.G28
VI_571_7-CH67GS: SLOT7.A28
VI_571_7-CH67S: SLOT7.D26
VI_572_7-CH68BP: SLOT7.C24
VI_572_7-CH68F: SLOT7.G24
VI_572_7-CH68GS: SLOT7.A24
VI_572_7-CH68S: SLOT7.B22
VI_573_7-CH69BP: SLOT7.C20
VI_573_7-CH69F: SLOT7.F22
VI_573_7-CH69GS: SLOT7.A20
VI_573_7-CH69S: SLOT7.D22
VI_574_7-CH70BP: SLOT7.D18
VI_574_7-CH70F: SLOT7.G16
VI_574_7-CH70GS: SLOT7.B18
VI_574_7-CH70S: SLOT7.E20
VI_575_7-CH71BP: SLOT7.C16
VI_575_7-CH71F: SLOT7.G12
VI_575_7-CH71GS: SLOT7.A16
VI_575_7-CH71S: SLOT7.B14
VI_576_7-CH72BP: SLOT7.C12
VI_576_7-CH72F: SLOT7.F10
VI_576_7-CH72GS: SLOT7.A12
VI_576_7-CH72S: SLOT7.D14
VI_577_8-CH1BP: SLOT8.B35
VI_577_8-CH1F: SITE8.F4(LSIN1 / ILIM0_F) SLOT8.F35 UNK8CS4.2 UNK8SH35.2 UNK8TP_LSIN1_F.1
VI_577_8-CH1GS: SLOT8.A35 UNK8SH39.1
VI_577_8-CH1S: SITE8.S4(LSIN1 / ILIM0_S) SLOT8.C35 UNK8TP_LSIN1_S.1
VI_578_8-CH2BP: SLOT8.B33